# Altium PCB llrf_fmc_extension.PcbDoc (part 1 of 2)
Units mm, origin at the board's own origin, x right, y up, seen from the top; angles counter-clockwise.
Board outline 128 x 89.25 mm, 4 copper layers (TopLayer, FlexLayer1, FlexLayer2, Bottom Layer), stack 1.896 mm thick; 10 components, 83 nets, 812 pads, 376 vias.
Unrouted connection lines stored in the file: 149.
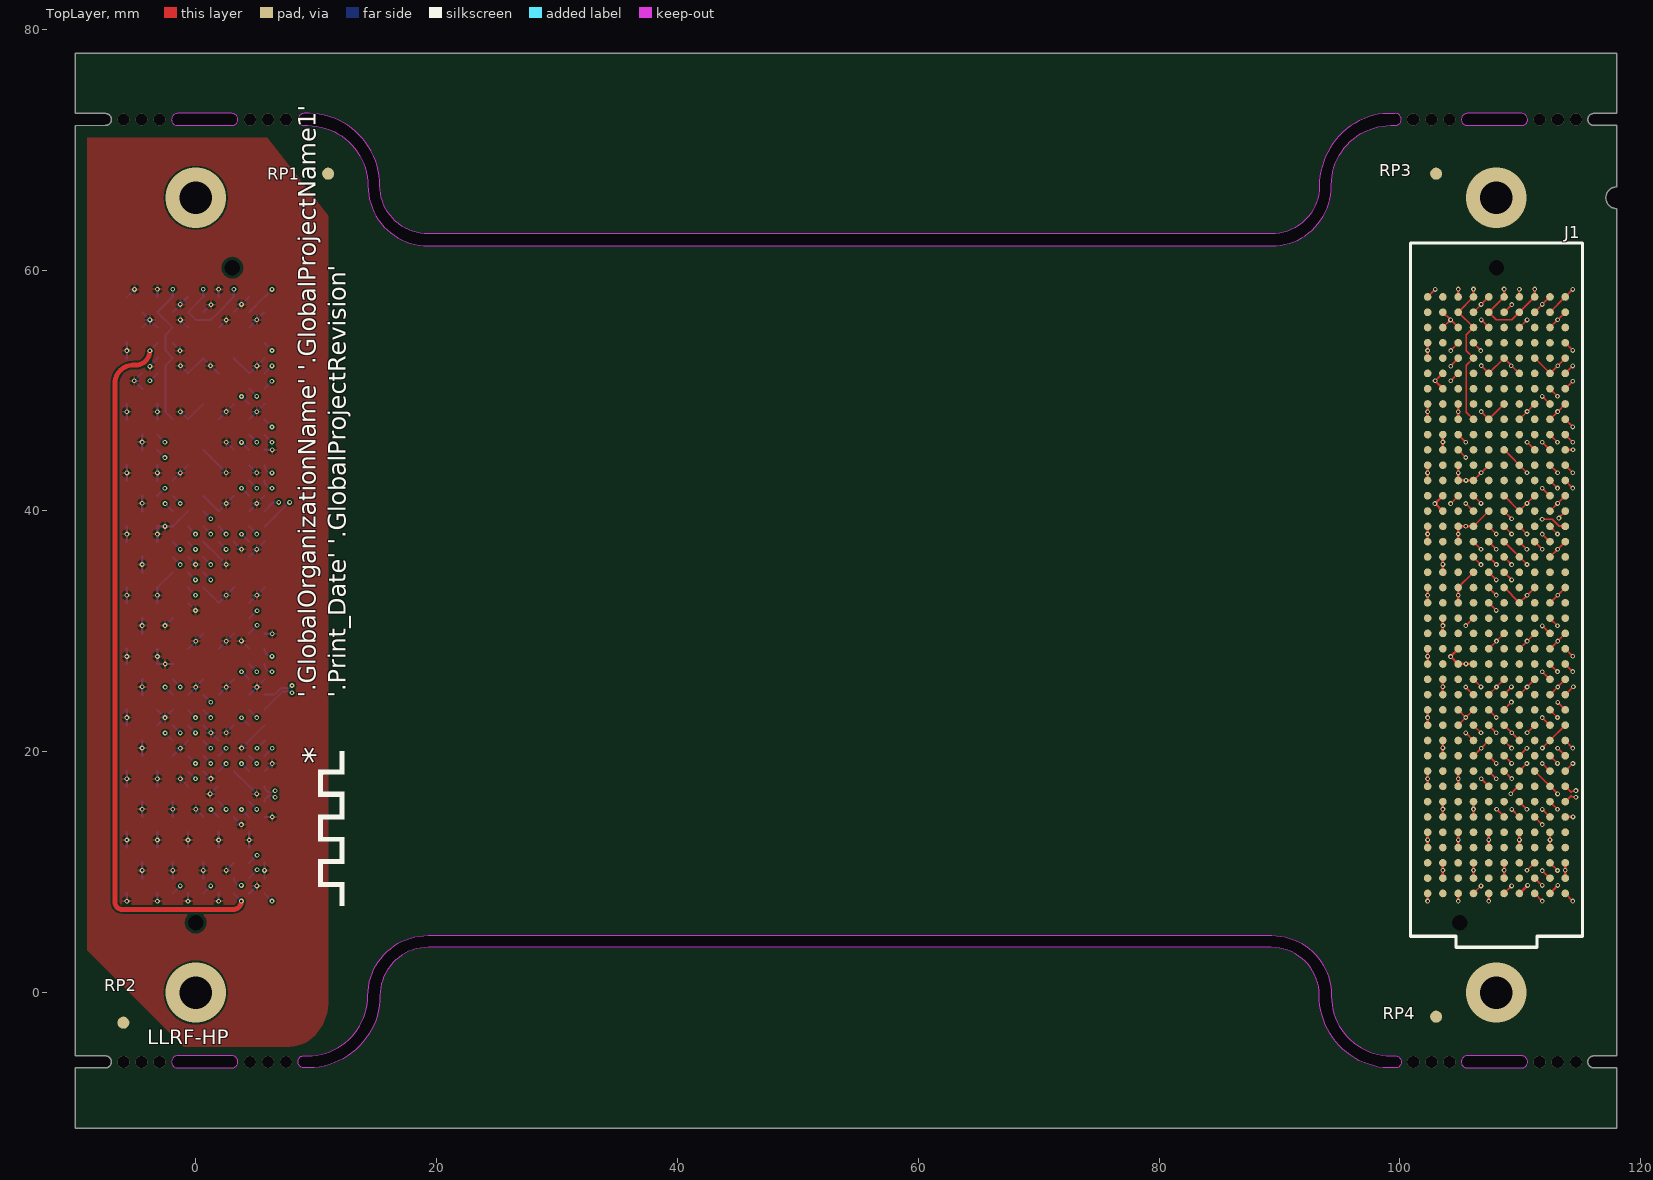
[diagram p0: TopLayer view]
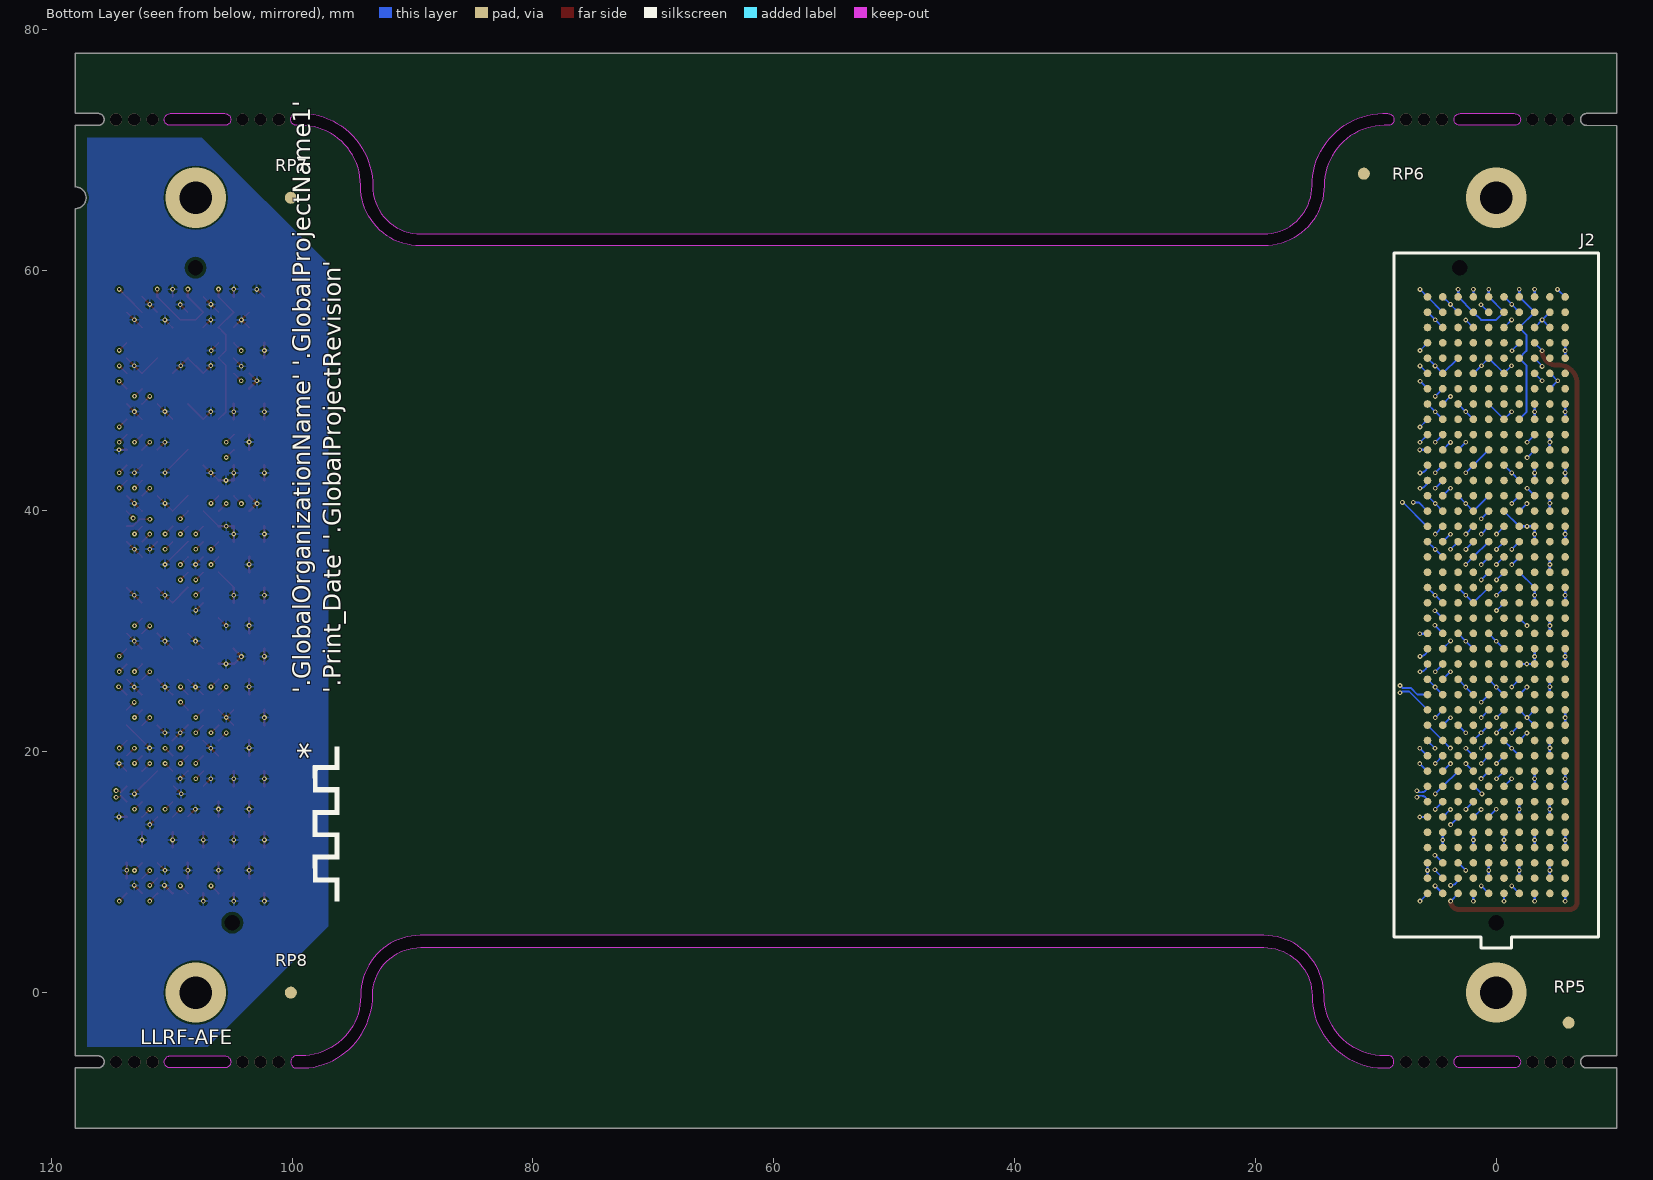
[diagram p1: Bottom Layer view, seen from below]
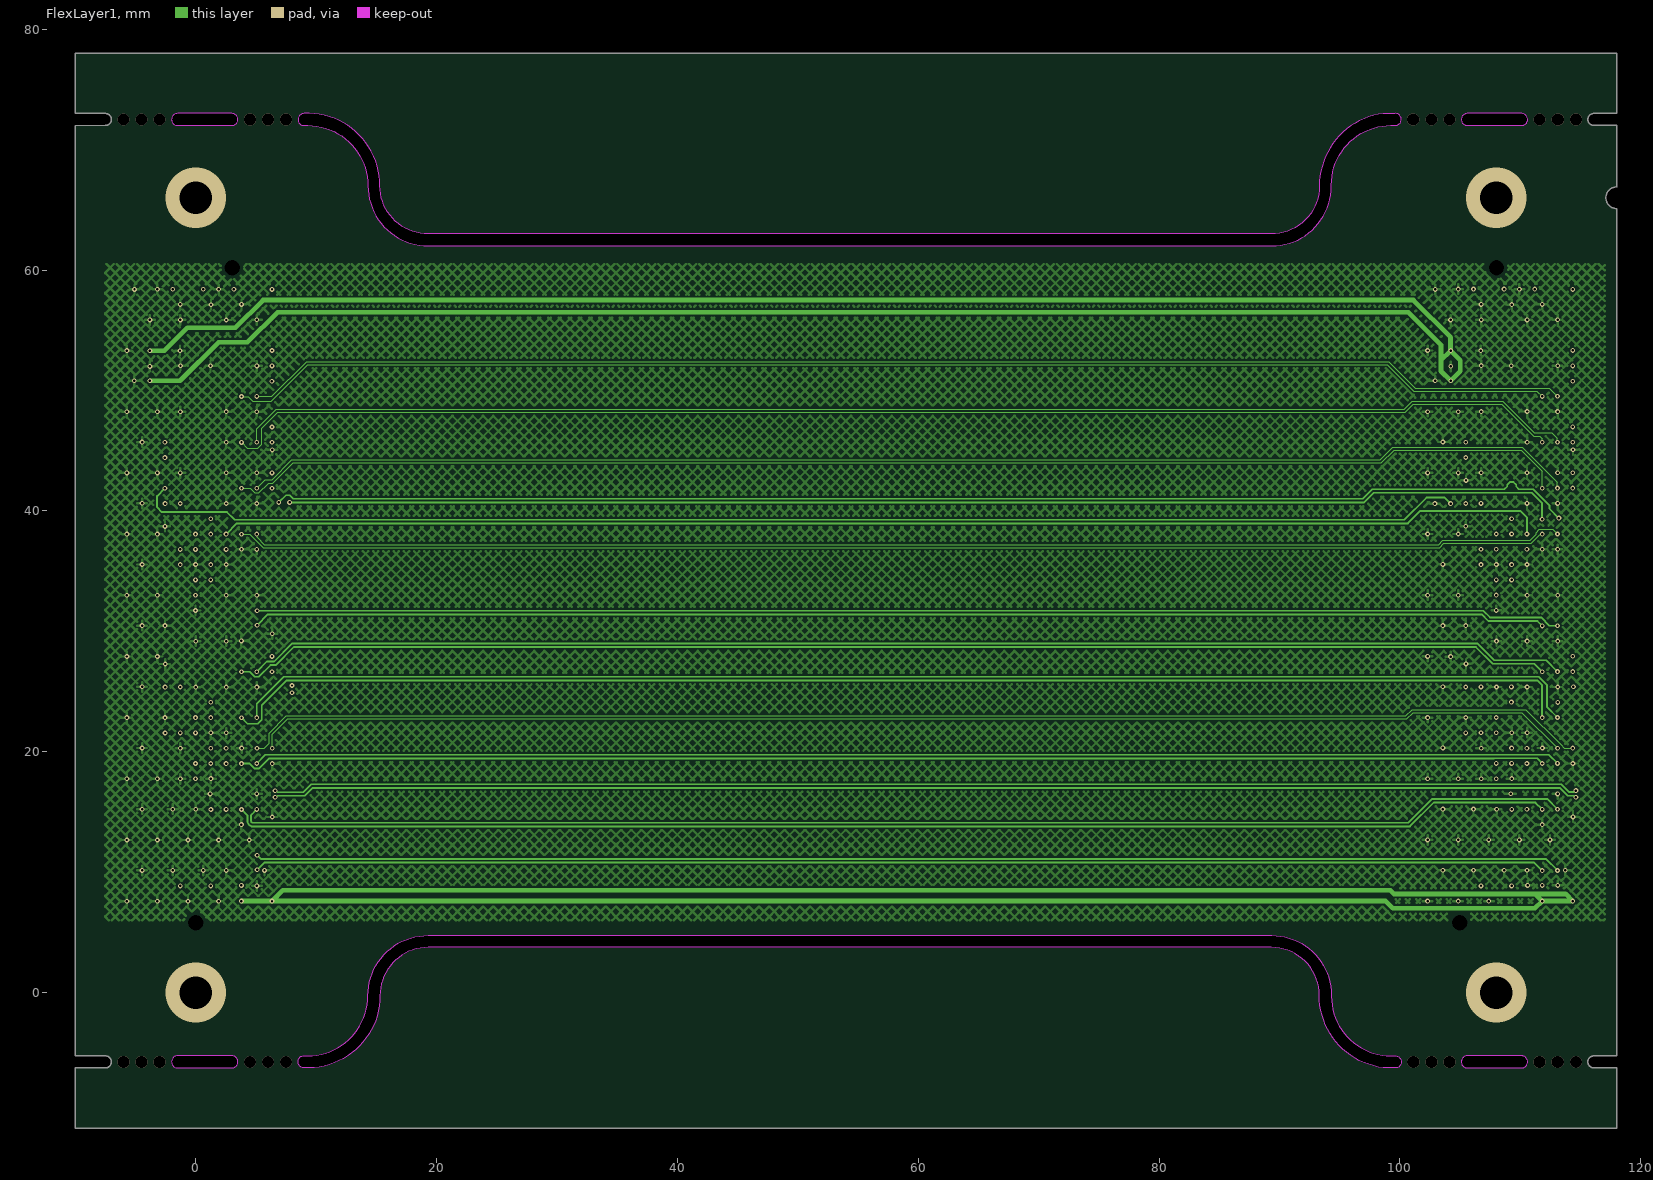
[diagram p2: FlexLayer1]
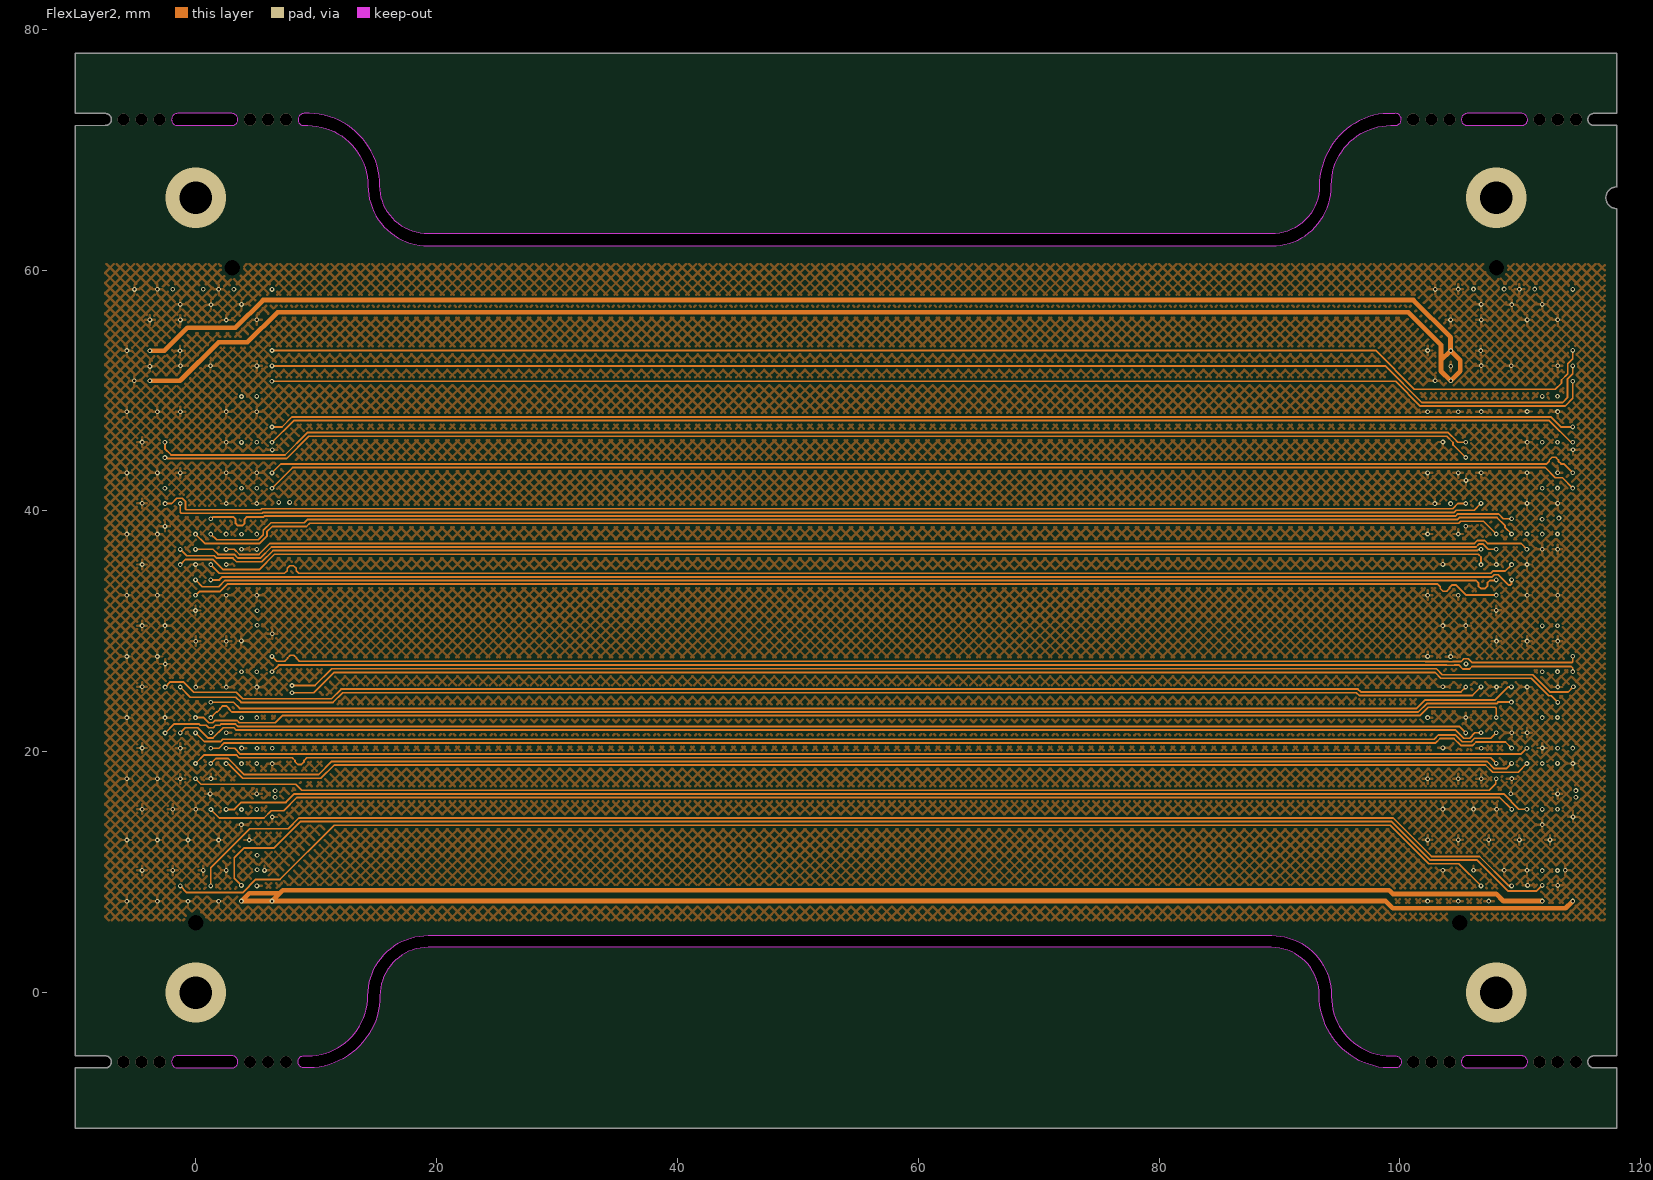
[diagram p3: FlexLayer2]

## Layer stack, top to bottom
TopSolder: solder mask 0.012, FC-001, Dk 4
TopSolder: solder mask 0.025, Solder Resist, Dk 3.5
TopLayer: signal copper 0.0175
Dielectric1: prepreg 0.7, FR-4, Dk 5.1
Adhesive 1: prepreg 0.175, LF0100, Dk 3.6
FlexLayer1: signal copper 0.018
Dielectric 2: core 0.075, AP8545R, Dk 3.4
FlexLayer2: signal copper 0.018
Adhesive 2: prepreg 0.175, LF0100, Dk 3.6
Dielectric 3: prepreg 0.7, PP-001, Dk 5.1
Bottom Layer: signal copper 0.0175
Flex Top Coverlay: solder mask 0.025, Solder Resist, Dk 3.5
Flex Top Coverlay: solder mask 0.012, FC-001, Dk 4

## Board outline
-10,-11.25 118,-11.25 118,-6.25 116.1,-6.25 cw(c116.1,-5.75) 116.1,-5.25 118,-5.25 118,65.1 cw(c118,66) 118,66.9 118,72 116.1,72 cw(c116.1,72.5) 116.1,73 118,73 118,78 -10,78 -10,73 -7.5,73 cw(c-7.5,72.5) -7.5,72 -10,72 -10,-5.25 -7.5,-5.25 cw(c-7.5,-5.75) -7.5,-6.25 -10,-6.25
cut-out: 9,73 ccw(c8.999,72.501) 8.5,72.501 8.5,72.45 ccw(c8.95,72.45) 8.95,72 9.3,72 cw(c9.3,67) 14.3,67 ccw(c19.3,67) 19.3,62 89.35,62 ccw(c89.35,66.95) 94.3,66.95 94.3,67.05 cw(c99.25,67.05) 99.25,72 99.6,72 ccw(c99.6,72.5) 100.1,72.5 100.1,72.55 ccw(c99.65,72.55) 99.579,72.994 98.628,72.994 ccw(c99.358,66.981) 93.301,66.965 cw(c89.326,66.975) 89.312,63 19.3,63 cw(c19.297,66.997) 15.3,67 ccw(c9.297,67.005)
cut-out: 9,-6.25 cw(c8.999,-5.751) 8.5,-5.751 8.5,-5.7 cw(c8.95,-5.7) 8.95,-5.25 9.3,-5.25 ccw(c9.3,-0.25) 14.3,-0.25 cw(c19.3,-0.25) 19.3,4.75 89.35,4.75 cw(c89.35,-0.2) 94.3,-0.2 94.3,-0.3 ccw(c99.25,-0.3) 99.25,-5.25 99.6,-5.25 cw(c99.6,-5.75) 100.1,-5.75 100.1,-5.8 cw(c99.65,-5.8) 99.579,-6.244 98.628,-6.244 cw(c99.358,-0.231) 93.301,-0.215 ccw(c89.326,-0.225) 89.312,3.75 19.3,3.75 ccw(c19.297,-0.247) 15.3,-0.25 cw(c9.297,-0.255)
cut-out: -1.5,72 3,72 3.009,72 ccw(c3.009,72.491) 3.5,72.491 3.5,72.5 ccw(c3,72.5) 3,73 -1.506,73 ccw(c-1.506,72.494) -2.011,72.494 ccw(c-1.517,72.494) -1.517,72 -1.5,72
cut-out: 105.6,72 110.1,72 110.109,72 ccw(c110.109,72.491) 110.6,72.491 110.6,72.5 ccw(c110.1,72.5) 110.1,73 105.594,73 ccw(c105.594,72.494) 105.089,72.494 ccw(c105.583,72.494) 105.583,72 105.6,72
cut-out: 105.6,-6.25 110.1,-6.25 110.109,-6.25 ccw(c110.109,-5.759) 110.6,-5.759 110.6,-5.75 ccw(c110.1,-5.75) 110.1,-5.25 105.594,-5.25 ccw(c105.594,-5.756) 105.088,-5.756 ccw(c105.583,-5.756) 105.583,-6.25 105.6,-6.25
cut-out: -1.5,-6.25 3,-6.25 3.009,-6.25 ccw(c3.009,-5.759) 3.5,-5.759 3.5,-5.75 ccw(c3,-5.75) 3,-5.25 -1.506,-5.25 ccw(c-1.506,-5.756) -2.012,-5.756 ccw(c-1.517,-5.756) -1.517,-6.25 -1.5,-6.25
board region "Default Layer Stack Region": -10,-5.25 -7.5,-5.25 -7.403,-5.26 -7.222,-5.334 -7.084,-5.472 -7.01,-5.652 -7.01,-5.848 -7.084,-6.028 -7.222,-6.166 -7.402,-6.24 -7.5,-6.25 -10,-6.25 -10,-11.25 118,-11.25 118,-6.25 116.1,-6.25 116.002,-6.24 115.822,-6.166 115.684,-6.028 115.61,-5.848 115.61,-5.653 115.684,-5.472 115.822,-5.334 116.002,-5.26 116.1,-5.25 118,-5.25 118,65.1 117.883,65.108 117.656,65.168 117.452,65.286 117.286,65.452 117.169,65.656 117.108,65.883 117.108,66.117 117.169,66.344 117.286,66.548 117.452,66.714 117.656,66.831 117.883,66.892 118,66.9 118,72 116.1,72 116.003,72.01 115.822,72.084 115.684,72.222 115.61,72.402 115.61,72.597 115.684,72.778 115.822,72.916 116.002,72.99 116.1,73 118,73 118,78 -10,78 -10,73 -7.5,73 -7.403,72.99 -7.222,72.916 -7.084,72.778 -7.01,72.598 -7.01,72.403 -7.084,72.222 -7.222,72.084 -7.402,72.01 -7.5,72 -10,72
board region "Layer Stack Region 1": 14.3,-0.275 14.3,66.9 94.353,66.9 94.258,-0.275

## Design rules (kind name [scope] priority, off if disabled: settings)
BoardOutlineClearance [All] p1: gap=0.25 ignorepadtopadclearanceinfootprint=FALSE except(0: Arc-SplitContinuation Track-SplitContinuation SMDPad-SplitContinuation THPad-SplitContinuation Via-SplitContinuation Fill-SplitContinuation Poly-SplitContinuation Region-SplitContinuation Text-SplitContinuation)
Clearance GroundPlane [OnLayer('GroundPlane')] p1: gap=0.25 ignorepadtopadclearanceinfootprint=FALSE
Clearance FPGA [WithinRoom('FPGA room')] p2: gap=0.1 ignorepadtopadclearanceinfootprint=FALSE except(0.15: Arc-Poly Track-Poly SMDPad-Poly THPad-Poly Via-Poly Fill-Poly Poly-Poly)
Clearance Polygon [IsCopperRegion] p3: gap=0.15 ignorepadtopadclearanceinfootprint=TRUE except(0.25: Arc-Hole Track-Hole SMDPad-Hole THPad-Hole Via-Hole Fill-Hole Poly-Hole Region-Hole Text-Hole)
Clearance [All] p4: gap=0.15 ignorepadtopadclearanceinfootprint=FALSE except(0.25: Arc-Hole Track-Hole SMDPad-Hole THPad-Hole Via-Hole Fill-Hole Poly-Hole Region-Hole Text-Hole)
ComponentClearance [All] p1: gap=0.1 collisioncheckmode=3 verticalgap=0.1 showdistances=TRUE
DiffPairsRouting DiffPairsRouting_FPGA [WithinRoom('FPGA room')] p1: maxlimit=0.2 minlimit=0.1 mostfreqgap=0.15 toplayer_minwidth=0.1 toplayer_maxwidth=0.2 toplayer_prefwidth=0.15 midlayer2_minwidth=0.1 midlayer2_maxwidth=0.2 midlayer2_prefwidth=0.1 midlayer3_minwidth=0.1 midlayer3_maxwidth=0.2 midlayer3_prefwidth=0.1 bottomlayer_minwidth=0.1 bottomlayer_maxwidth=0.2 bottomlayer_prefwidth=0.15 substack1={6C0819E7-4CCC-47EF-92F4-161ED3E39901} toplayer_{6c0819e7-4ccc-47ef-92f4-161ed3e39901}_minwidth=0.381 toplayer_{6c0819e7-4ccc-47ef-92f4-161ed3e39901}_maxwidth=0.381 toplayer_{6c0819e7-4ccc-47ef-92f4-161ed3e39901}_prefwidth=0.381 midlayer2_{6c0819e7-4ccc-47ef-92f4-161ed3e39901}_minwidth=0.381 midlayer2_{6c0819e7-4ccc-47ef-92f4-161ed3e39901}_maxwidth=0.381 midlayer2_{6c0819e7-4ccc-47ef-92f4-161ed3e39901}_prefwidth=0.381 midlayer3_{6c0819e7-4ccc-47ef-92f4-161ed3e39901}_minwidth=0.381 midlayer3_{6c0819e7-4ccc-47ef-92f4-161ed3e39901}_maxwidth=0.381 midlayer3_{6c0819e7-4ccc-47ef-92f4-161ed3e39901}_prefwidth=0.381 bottomlayer_{6c0819e7-4ccc-47ef-92f4-161ed3e39901}_minwidth=0.381 bottomlayer_{6c0819e7-4ccc-47ef-92f4-161ed3e39901}_maxwidth=0.381 bottomlayer_{6c0819e7-4ccc-47ef-92f4-161ed3e39901}_prefwidth=0.381 maxuncoupledlength=10
DiffPairsRouting [All] p2: maxlimit=0.2 minlimit=0.15 mostfreqgap=0.15 toplayer_minwidth=0.15 toplayer_maxwidth=0.2 toplayer_prefwidth=0.15 midlayer2_minwidth=0.1 midlayer2_maxwidth=0.2 midlayer2_prefwidth=0.1 midlayer3_minwidth=0.1 midlayer3_maxwidth=0.2 midlayer3_prefwidth=0.1 bottomlayer_minwidth=0.15 bottomlayer_maxwidth=0.2 bottomlayer_prefwidth=0.15 substack1={6C0819E7-4CCC-47EF-92F4-161ED3E39901} toplayer_{6c0819e7-4ccc-47ef-92f4-161ed3e39901}_minwidth=0.381 toplayer_{6c0819e7-4ccc-47ef-92f4-161ed3e39901}_maxwidth=0.381 toplayer_{6c0819e7-4ccc-47ef-92f4-161ed3e39901}_prefwidth=0.381 midlayer2_{6c0819e7-4ccc-47ef-92f4-161ed3e39901}_minwidth=0.381 midlayer2_{6c0819e7-4ccc-47ef-92f4-161ed3e39901}_maxwidth=0.381 midlayer2_{6c0819e7-4ccc-47ef-92f4-161ed3e39901}_prefwidth=0.381 midlayer3_{6c0819e7-4ccc-47ef-92f4-161ed3e39901}_minwidth=0.381 midlayer3_{6c0819e7-4ccc-47ef-92f4-161ed3e39901}_maxwidth=0.381 midlayer3_{6c0819e7-4ccc-47ef-92f4-161ed3e39901}_prefwidth=0.381 bottomlayer_{6c0819e7-4ccc-47ef-92f4-161ed3e39901}_minwidth=0.381 bottomlayer_{6c0819e7-4ccc-47ef-92f4-161ed3e39901}_maxwidth=0.381 bottomlayer_{6c0819e7-4ccc-47ef-92f4-161ed3e39901}_prefwidth=0.381 maxuncoupledlength=10
FabricationTestPointUsage TestPointUsage [All] p1: valid=0 allowmultiple=FALSE
FabricationTestpoint Testpoint [All] p1: side=3 testpointundercomponent=TRUE minsize=1.016 maxsize=2.54 preferedsize=1.524 minholesize=0.508 maxholesize=1.016 preferedholesize=0.813 testpointgrid=0.025 allowsidetop=TRUE allowsidebottom=TRUE usegrid=TRUE gridtolerance=0
FanoutControl Fanout_BGA [HasFootprint('UBGA-484')] p1: bgadir=Out bgaviamode=Centered fanoutstyle=BGA fanoutdirection=Alternating viagrid=0.025
Height "PCI Express, Page 84, \"Component Height Constraints\" for solder side" [OnBottomLayer] p1: minheight=0 maxheight=2.67 prefheight=2.67
Height "PCI Express, Page 84, \"Component Height Constraints\" for component side" [OnTopLayer] p2: minheight=0 maxheight=14.47 prefheight=14.47
HoleSize [All] p1: absolutevalues=TRUE maxlimit=5 minlimit=0.2 maxpercent=80.000 minpercent=20.000
HoleToHoleClearance [All] p1: gap=0.2 allowstackedmicrovias=TRUE
Length [All] p1: maxlimit=2540 minlimit=0
MatchedLengths "Schematic Matched Net Lengths_2" [InNetClass('FMC_RESERVE[0..15]')] p1: tolerance=1 checknetsindiffpair=FALSE checkdiffpairvsdiffpair=TRUE checkxsignals=TRUE checkothers=TRUE
MatchedLengths "Schematic Matched Net Lengths_1" [InNetClass('fmc_io_in[0..7]')] p2: tolerance=1 checknetsindiffpair=FALSE checkdiffpairvsdiffpair=TRUE checkxsignals=TRUE checkothers=TRUE
MatchedLengths "Schematic Matched Net Lengths" [InNetClass('fmc_io_out[0..7]')] p3: tolerance=1 checknetsindiffpair=FALSE checkdiffpairvsdiffpair=TRUE checkxsignals=TRUE checkothers=TRUE
MatchedLengths MatchedLengths_DDS_out [InNetClass('DDS_out_channels')] p4: tolerance=0.5 checknetsindiffpair=FALSE checkdiffpairvsdiffpair=TRUE checkxsignals=TRUE checkothers=TRUE
MatchedLengths MatchLengths_xSignals_U34_U1 [InxSignalClass('xSignals_U34_U1_MatchLengthsClass')] p5: tolerance=2.54 checknetsindiffpair=FALSE checkdiffpairvsdiffpair=TRUE checkxsignals=TRUE checkothers=TRUE
MatchedLengths MatchLengths_xSignals_U1_C3,C4,C5,C6 [InxSignalClass('xSignals_U1_C3,C4,C5,C6_MatchLengthsClass')] p6: tolerance=2.54 checknetsindiffpair=FALSE checkdiffpairvsdiffpair=TRUE checkxsignals=TRUE checkothers=TRUE
MatchedLengths MatchLengths_xSignals_U1_Passives_1 [InxSignalClass('xSignals_U1_Passives_MatchLengthsClass')] p7: tolerance=2.54 checknetsindiffpair=FALSE checkdiffpairvsdiffpair=TRUE checkxsignals=TRUE checkothers=TRUE
MatchedLengths MatchLengths_xSignals_U1_Passives [InxSignalClass('xSignals_U1_Passives_MatchLengthsClass')] p8: tolerance=0.2 checknetsindiffpair=FALSE checkdiffpairvsdiffpair=TRUE checkxsignals=TRUE checkothers=TRUE
MatchedLengths MatchLengths_U1_Passives_C3,C4,C5,C6 [InxSignalClass('xSignals_U1_Passives_C3,C4,C5,C6_MatchLengthsClass')] p9: tolerance=2.54 checknetsindiffpair=FALSE checkdiffpairvsdiffpair=TRUE checkxsignals=TRUE checkothers=TRUE
MatchedLengths MatchLengths_xSignals_U1_C3,C4 [InxSignalClass('xSignals_U1_C3,C4_MatchLengthsClass')] p10: tolerance=2.54 checknetsindiffpair=FALSE checkdiffpairvsdiffpair=TRUE checkxsignals=TRUE checkothers=TRUE
MatchedLengths MatchLengths_xSignals_U1_J1,J2 [InxSignalClass('xSignals_U1_J1,J2_MatchLengthsClass')] p11: tolerance=0.5 checknetsindiffpair=FALSE checkdiffpairvsdiffpair=TRUE checkxsignals=TRUE checkothers=TRUE
MatchedLengths MatchLengths_xSignals_U1_C5,C6 [InxSignalClass('xSignals_U1_C5,C6_MatchLengthsClass')] p12: tolerance=2.54 checknetsindiffpair=FALSE checkdiffpairvsdiffpair=TRUE checkxsignals=TRUE checkothers=TRUE
MatchedLengths MatchLengths_U1_Passives_C5,C6 [InxSignalClass('xSignals_U1_Passives_C5,C6_MatchLengthsClass')] p13: tolerance=2.54 checknetsindiffpair=FALSE checkdiffpairvsdiffpair=TRUE checkxsignals=TRUE checkothers=TRUE
MatchedLengths MatchLengths_xSignals_U1_Passives_2 [InxSignalClass('xSignals_U1_Passives_MatchLengthsClass_1')] p14: tolerance=2.54 checknetsindiffpair=FALSE checkdiffpairvsdiffpair=TRUE checkxsignals=TRUE checkothers=TRUE
MatchedLengths MatchLengths_U1_Passives_C5,C6_1 [InxSignalClass('xSignals_U1_Passives_C5,C6_MatchLengthsClass_1')] p15: tolerance=2.54 checknetsindiffpair=FALSE checkdiffpairvsdiffpair=TRUE checkxsignals=TRUE checkothers=TRUE
MatchedLengths [All] p16: tolerance=0.5 checknetsindiffpair=TRUE checkdiffpairvsdiffpair=FALSE checkxsignals=FALSE checkothers=FALSE
MinimumAnnularRing MinimumAnnularRing_FPGA [All] p1: minimumring=0.1
MinimumAnnularRing [All] p2: minimumring=0.15
MinimumSolderMaskSliver [All] p1: minsoldermaskwidth=0.15
PlaneClearance [All] p1: clearance=0.2
PlaneConnect FPGA_PlaneConnect [WithinRoom('FPGA room')] p1: planeconnectstyle=Relief reliefexpansion=0.15 reliefentries=4 reliefconductorwidth=0.15 reliefairgap=0.15
PlaneConnect [All] p2: planeconnectstyle=Relief reliefexpansion=0.2 reliefentries=4 reliefconductorwidth=0.15 reliefairgap=0.15
PolygonConnect FPGA_PolygonConnect [WithinRoom('FPGA room')] p1: connectstyle=Relief reliefconductorwidth=0.15 reliefentries=4 polygonreliefangle="45 Angle" airgapwidth=0.15
PolygonConnect [All] p2: connectstyle=Relief reliefconductorwidth=0.2 reliefentries=4 polygonreliefangle="90 Angle" airgapwidth=0.2
RoomDefinition "LLRF-HP side" [InComponentClass('LLRF-HP side')] p1: confinementstyle=ConfineIn formatcopy=TRUE lockcomponents=FALSE outline -9,0.811 -9,64.811 9,64.811 9,0.811
RoomDefinition FMC_Room_1 [WithinRoom('FMC_Room_1')] p2: confinementstyle=ConfineIn formatcopy=TRUE lockcomponents=FALSE outline -9,1 -9,65 9,65 9,1